# KiCad board PETER.kicad_pcb (continued)
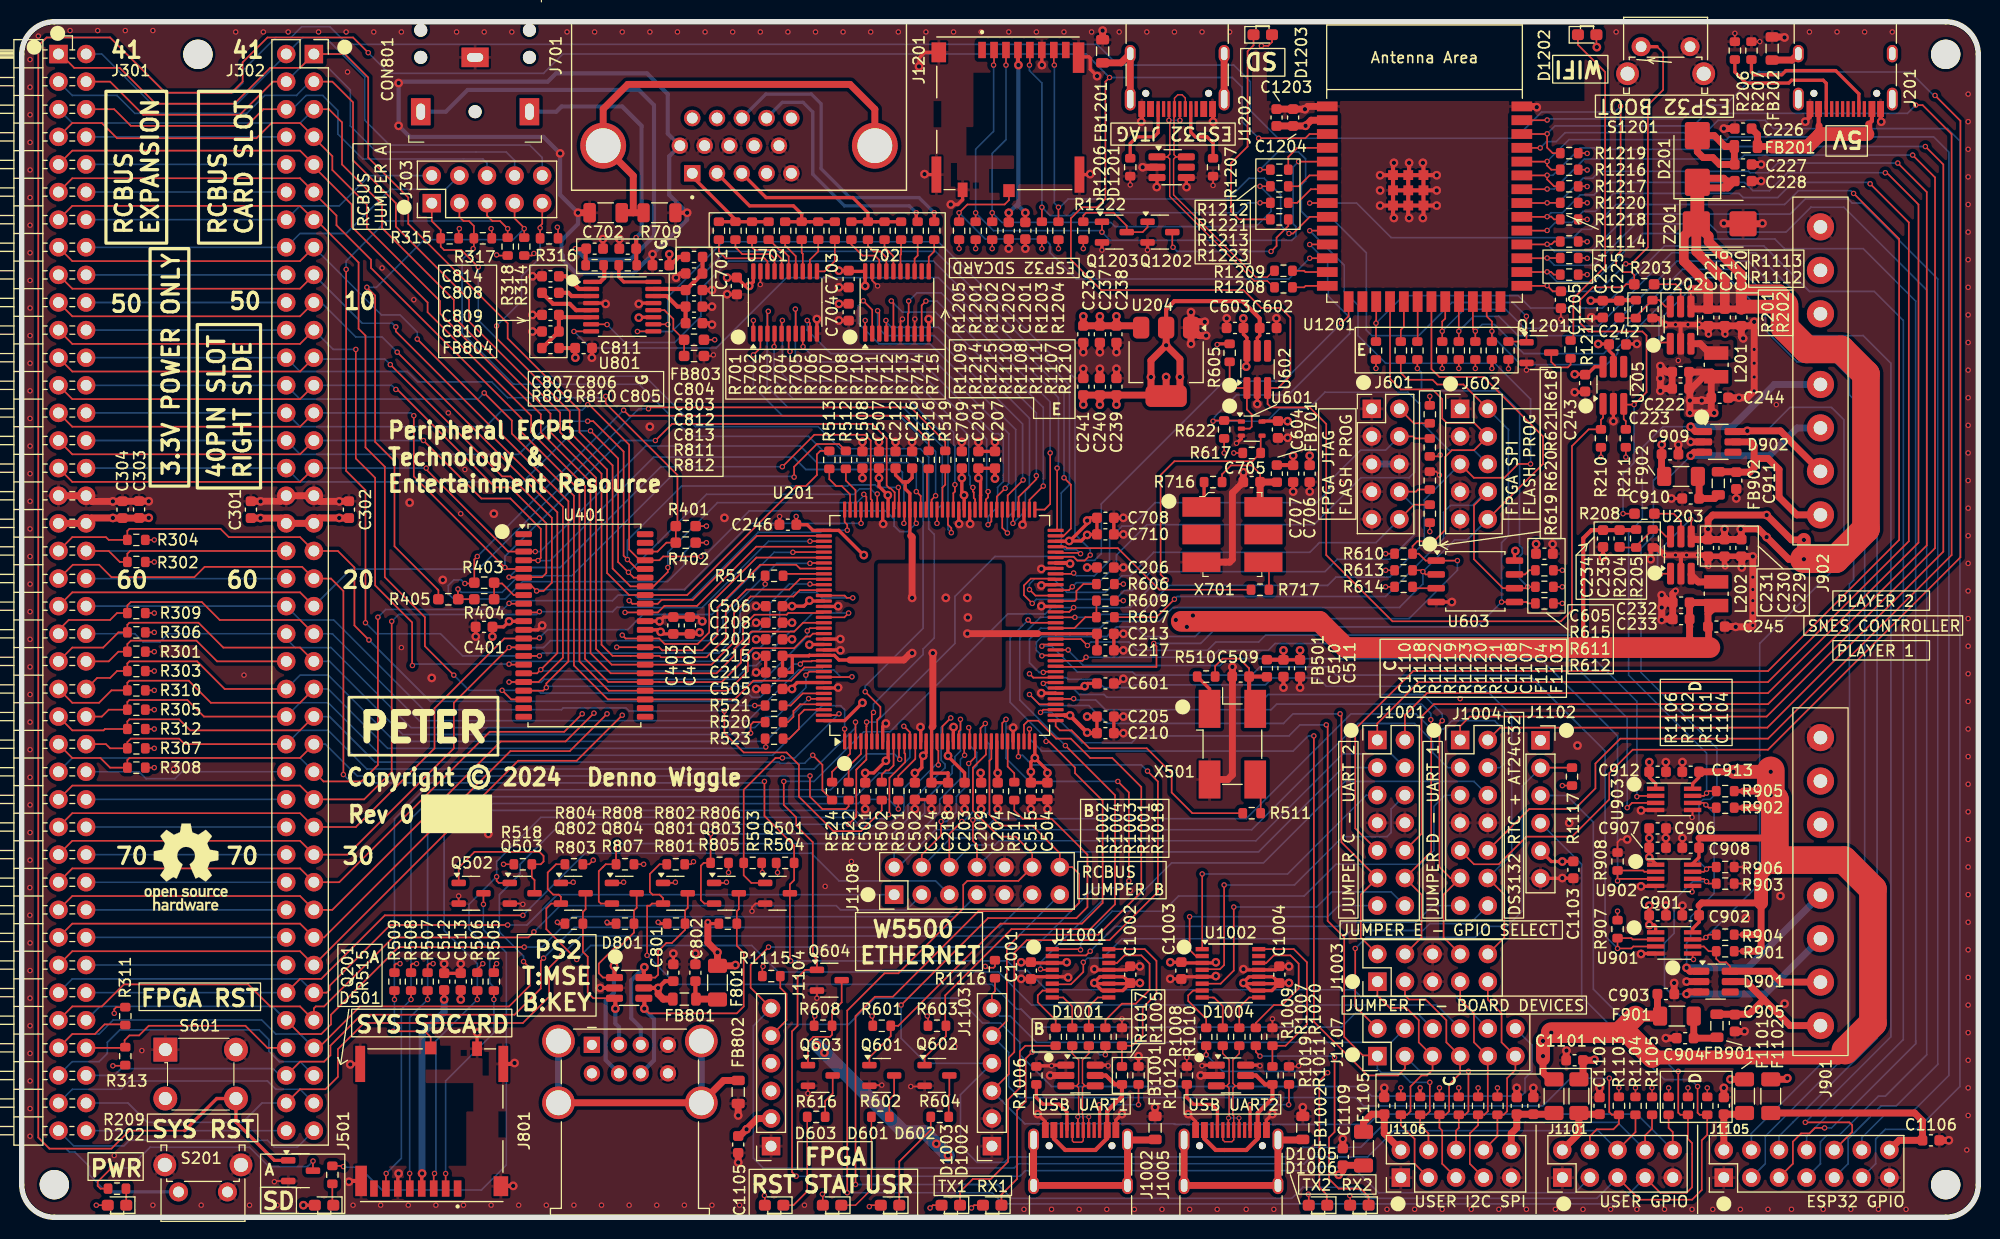
[diagram p0: board, top side]
## Routing (per net, layer and track width the routed paths; a pad name or vN(x,y) marks a point on that pad's centre or on a via; arc(x,y) is an arc through that point) (continued)
  Top w0.152: J1005.A6 111,9.12 ; J1005.B6 112,9.12
  Bottom w0.152: v3(111.02,9.14) v3(111.99,9.14)
/UART_FT230X/UART2_TX_LED: length 5.1
  Top w0.152: U1002.7 107.76,20.86 107.32,20.41 107.32,19.91 108.97,18.25 R1008.2
/UART_FT230X/UART2_USB_D_N: length 4.1
  Top w0.152: R1009.2 112.02,19.32 112.92,20.22 U1002.9
/UART_FT230X/UART2_USB_D_P: length 4.2
  Top w0.152: R1010.2 110.49,19.42 109.7,20.21 109.6,20.21 109.59,20.22 U1002.8
/USER IO, SPI, I2C/RTC_SQW_INT_N: length 41.8
  Top w0.152: v2(122.68,24.73) 122.68,19.4 J1107.2 124.71,17.36 ; R1117.1 139.75,41.37 J1102.2
  Bottom w0.152: J1102.2 138.05,39.67 138.05,28.16 136.65,26.76 134.75,26.76 133.73,25.75 123.7,25.75 v2(122.68,24.73)
/USER IO, SPI, I2C/W5500_INT_N: length 42.7
  Top w0.152: R1116.1 89.54,20.79 89.26,20.52 J1103.6
  Bottom w0.152: J1107.4 125.98,16.1 93.35,16.1 90.93,18.51 89.99,18.51 J1103.6
/USER IO, SPI, I2C/W5500_RESET_N: length 88.4
  Top w0.152: R1115.1 69.79,21.11 70.36,20.54 70.36,18.13 J1104.5
  Bottom w0.152: J1104.5 69.98,17.75 76.07,17.75 78.49,20.16 86.11,20.16 88.39,17.87 90.04,17.87 91.82,16.1 91.82,14.95 94.74,12.03 123.32,12.03 124.21,11.14 137.92,11.14 138.3,11.52 138.3,12.79 138.94,13.43 138.94,15.84 J1107.12
AUDIO_BCLK: length 70.3
  Top w0.152: v2(56.64,81.5) 56.65,81.51 U801.9 ; U201.68 95.19,61.13 97.33,61.13 v2(97.41,61.05)
  Bottom w0.152: v2(97.41,61.05) 97.03,61.44 96.01,61.44 95.63,61.82 95.63,66.64 96.39,67.4 96.39,76.55 84.08,88.87 64.77,88.87 61.22,85.31 61.22,82.9 59.82,81.5 v2(56.64,81.5)
AUDIO_DATA: length 68.3
  Top w0.152: U801.7 53.82,82.16 v2(53.85,82.14) ; U201.71 95.86,62.7 96.52,63.37 96.52,67.4 v2(95.89,68.04)
  Bottom w0.152: v2(53.85,82.14) 55.5,80.48 60.07,80.48 62.48,82.9 62.48,85.44 65.02,87.98 83.88,87.98 95.89,75.98 v2(95.89,68.04)
AUDIO_LRCLK: length 66.4
  Top w0.152: v2(50.8,81.5) 50.81,81.51 U801.8 ; U201.72 95.25,63.33 v2(95.25,68.93)
  Bottom w0.152: v2(50.8,81.5) 52.33,79.98 63.88,79.98 70.37,86.46 84.32,86.46 95.38,75.41 95.38,69.05 v2(95.25,68.93)
AUDIO_MCLK: length 69.1
  Top w0.152: v2(59.44,82.14) 59.41,82.16 U801.10 ; v2(98.3,60.93) 97.79,60.42 97.11,60.42 96.76,60.77 95.19,60.77 U201.67
  Bottom w0.152: v2(98.3,60.93) 98.3,61.44 96.9,62.83 96.9,77.18 84.33,89.76 64.52,89.76 59.44,84.68 v2(59.44,82.14)
CPU_A0: length 91.9
  Top w0.152: J302.16 25.6,67.66 4.65,67.66 J301.16 ; v2(82.3,66.77) 82.71,66.36 U201.94 ; v2(37.21,68.93) 37.21,68.8 44.76,61.25 U401.3 v2(47.25,61.25)
  Bottom w0.152: J302.16 v2(37.21,68.93) ; v2(82.3,66.77) 82.3,68.67 81.54,69.44 73.15,69.44 71.63,70.96 57.41,70.96 47.69,61.25 v2(47.25,61.25)
CPU_A1: length 97.2
  Top w0.152: v2(36.96,71.47) 42.29,66.13 44.96,66.13 47.75,63.34 47.75,60.67 v2(47.5,60.42) 47.47,60.45 U401.4 ; J302.15 25.6,70.2 4.65,70.2 J301.15 ; U201.97 81.21,63.9 v2(81.15,63.85)
  Bottom w0.152: v2(47.5,60.42) 48.61,60.42 58.14,69.94 70.99,69.94 72.14,68.8 80.77,68.8 81.03,68.55 81.03,67.45 81.15,67.32 v2(81.15,63.85) ; v2(36.96,71.47) J302.15
CPU_A2: length 101.8
  Top w0.152: v2(36.07,73.75) 36.07,68.17 v2(44.45,59.78) 44.58,59.65 U401.5 ; J302.14 25.6,72.74 4.65,72.74 J301.14 ; v2(58.29,71.47) 59.82,72.99 78.23,72.99 79.57,71.65 79.57,67.34 79.84,67.07 79.94,67.07 80.31,66.7 80.31,65.22 U201.99
  Bottom w0.152: v2(58.29,71.47) 55.12,71.47 44.45,60.8 v2(44.45,59.78) ; J302.14 35.81,74.01 v2(36.07,73.75)
CPU_A3: length 106
  Top w0.152: v2(69.98,69.05) 72.92,72 77.58,72 78.11,71.47 78.11,66.08 78.21,65.98 U201.103 ; U401.6 44.88,58.85 v2(44.83,58.89) 47.88,58.89 48.26,59.28 48.26,63.85 44.96,67.15 43.56,67.15 34.55,76.17 v2(34.42,76.17) ; J301.13 4.65,75.28 25.6,75.28 J302.13
  Bottom w0.152: v2(34.42,76.17) 34.04,76.55 J302.13 ; v2(69.98,69.05) 58.8,69.05 49.53,59.78 45.72,59.78 v2(44.83,58.89)
CPU_A4: length 95.3
  Top w0.152: U401.7 46.95,58.05 v2(47.37,57.62) 48.01,57.62 48.77,58.39 48.77,64.36 44.96,68.17 44.2,68.17 v2(33.91,78.45) ; U201.105 77.21,63.86 v2(77.22,63.85) ; J302.12 25.6,77.82 4.65,77.82 J301.12
  Bottom w0.152: J302.12 27,78.96 33.4,78.96 v2(33.91,78.45) ; v2(77.22,63.85) 67.06,63.85 60.96,57.75 47.5,57.75 v2(47.37,57.62)
CPU_A5: length 103.6
  Top w0.152: U401.16 44.88,50.85 v2(44.83,50.89) ; v2(35.94,50.77) 35.91,50.79 35.91,54.73 32.51,58.13 32.51,68.04 30.73,69.82 v2(30.73,79.85) ; U201.119 72.58,58.2 v2(72.52,58.26) ; J302.11 25.6,80.36 4.65,80.36 J301.11
  Bottom w0.152: v2(30.73,79.85) 28.65,79.85 J302.11 ; v2(72.52,58.26) 70.61,58.26 68.83,56.48 68.83,55 67.77,53.94 67.31,53.94 64.52,51.15 45.09,51.15 v2(44.83,50.89) 36.07,50.89 v2(35.94,50.77)
CPU_A6: length 107.6
  Top w0.152: v2(34.55,79.6) 49.28,64.86 49.28,51.91 v2(47.75,50.39) 47.42,50.05 U401.17 ; J301.10 4.65,82.9 25.6,82.9 J302.10 ; U201.121 75.71,57.2 75.92,56.99 v2(76.45,56.99)
  Bottom w0.152: J302.10 27.56,84.17 30.73,80.99 33.15,80.99 v2(34.55,79.6) ; v2(47.75,50.39) 47.88,50.26 65.28,50.26 67.44,52.42 67.95,52.42 69.72,54.2 69.72,56.16 71.06,57.5 73.1,57.5 73.61,56.99 v2(76.45,56.99)
CPU_A7: length 113.1
  Top w0.152: v2(34.42,81.93) 34.42,81.5 43.31,72.61 43.31,71.85 49.78,65.37 49.78,51.48 47.55,49.25 U401.18 44.84,49.25 v2(44.83,49.24) ; J301.9 4.65,85.44 25.6,85.44 J302.9 ; U201.125 75.68,55.2 v2(76.07,55.59)
  Bottom w0.152: v2(34.42,81.93) 34.08,82.26 31.32,82.26 J302.9 ; v2(44.83,49.24) 44.86,49.22 47.78,49.22 48.06,49.5 65.66,49.5 66.92,50.76 67.56,50.76 70.74,53.94 71.12,53.94 72.77,55.59 v2(76.07,55.59)
CPU_A8: length 106.9
  Top w0.152: U201.127 72.52,54.2 v2(72.26,53.94) ; J302.8 25.6,87.98 4.65,87.98 J301.8 ; U401.19 47.98,48.45 v2(48.26,48.73) 48.26,49.12 50.29,51.15 50.29,65.88 44.2,71.98 44.2,72.99 v2(36.39,80.8)
  Bottom w0.152: v2(48.26,48.73) 48.39,48.86 66.55,48.86 66.92,49.24 68.07,49.24 72.26,53.43 v2(72.26,53.94) ; v2(36.39,80.8) 36.39,81.44 34.8,83.02 33.1,83.02 J302.8
CPU_A9: length 110.5
  Top w0.152: J301.7 4.65,93.06 25.6,93.06 J302.7 27.05,91.79 30.99,87.85 30.99,81.75 31.62,81.12 31.62,70.83 33.4,69.05 33.4,58.89 37.08,55.21 37.08,52.55 v2(39.75,49.88) ; U401.20 45.03,47.65 v2(44.2,48.48) ; v2(71.63,50.89) 71.88,51.15 72.64,51.15 72.7,51.2 U201.133
  Bottom w0.152: v2(71.63,50.89) 70.99,50.89 67.95,47.85 67.18,47.85 66.8,48.23 47.75,48.23 47.5,48.48 v2(44.2,48.48) 41.15,48.48 v2(39.75,49.88)
CPU_A10: length 104.6
  Top w0.152: U201.128 72.78,53.7 72.52,53.43 72.14,53.43 71.06,52.36 67.25,52.36 66.8,51.91 66.8,50.26 64.99,48.45 U401.26 54.01,48.45 51.31,51.15 51.31,66.9 45.97,72.23 45.97,73.5 32.13,87.34 32.13,88.11 28.96,91.28 28.96,92.17 26.87,94.25 J302.6 25.6,95.6 4.65,95.6 J301.6
CPU_A11: length 106.6
  Top w0.152: U201.126 71.88,54.7 71.06,53.88 67.13,53.88 66.93,53.69 66.93,52.93 66.17,52.16 66.17,51.02 64.39,49.24 58.67,49.24 58.67,49.25 U401.27 53.97,49.25 51.82,51.4 51.82,67.28 46.86,72.23 46.86,73.75 37.34,83.28 37.34,84.17 30.35,91.15 30.35,93.19 26.87,96.66 J302.5 25.6,98.14 4.65,98.14 J301.5
CPU_A12: length 109.6
  Top w0.152: J301.4 4.65,100.68 7.37,100.68 8.76,99.28 21.59,99.28 22.99,100.68 25.6,100.68 J302.4 26.87,99.33 28.58,97.63 28.58,96.36 31.75,93.19 31.75,91.03 38.48,84.3 38.48,83.15 47.75,73.88 47.75,72.23 52.33,67.66 52.33,51.91 54.19,50.05 U401.28 63.93,50.05 65.53,51.66 65.53,52.29 66.36,53.12 66.36,54.39 67.06,55.08 ; 66.94,54.96 67.41,55.44 70.37,55.44 70.53,55.6 73.69,55.6 U201.124
CPU_A13: length 111.7
  Top w0.152: J302.3 28.26,101.95 29.47,100.74 29.47,96.87 33.15,93.19 33.15,91.03 39.75,84.42 39.75,82.83 48.64,73.94 48.64,72.23 52.83,68.04 52.83,52.29 54.27,50.85 U401.29 63.46,50.85 65.53,52.93 65.53,55.59 67.06,57.12 70.99,57.12 71.58,57.7 U201.120
  Bottom w0.152: J302.3 25.6,100.68 4.65,100.68 J301.3
CPU_A14: length 115.1
  Top w0.152: U201.118 73.75,58.74 71.6,58.74 70.61,57.75 66.68,57.75 64.77,55.85 64.77,53.31 62.99,51.53 58.8,51.53 58.68,51.65 U401.30 56.01,51.65 56.01,51.66 54.36,51.66 53.34,52.67 53.34,68.42 49.53,72.23 49.53,74.04 41.15,82.42 41.15,84.42 34.42,91.15 34.42,93.31 30.48,97.25 30.48,102.58 28.58,104.49 J302.2
  Bottom w0.152: J302.2 26.54,104.49 25.27,103.22 22.35,103.22 20.7,101.57 10.42,101.57 8.76,103.22 4.65,103.22 J301.2
CPU_A15: length 117.6
  Top w0.152: v2(77.47,66.52) 77.71,66.28 U201.104 ; v2(59.44,59.78) 59.44,59.37 58.12,58.05 U401.38 56,58.05 54.36,59.69 54.36,69.18 51.31,72.23 51.31,74.26 44.7,80.87 44.7,82.26 35.56,91.41 35.56,93.82 31.88,97.5 31.88,104.87 29.72,107.03 J302.1 25.6,105.76 22.86,105.76 19.56,102.46 12.32,102.46 9.02,105.76 4.83,105.76 3.56,107.03 J301.1
  Bottom w0.152: v2(59.44,59.78) 59.44,61.18 64.01,65.75 76.84,65.75 77.47,66.39 v2(77.47,66.52)
CPU_A16: length 92.9
  Top w0.152: U401.39 56.31,58.85 v2(55.82,59.34) 54.86,60.29 54.86,69.82 v2(52.33,72.36) ; U201.102 v2(78.71,66.55) 78.61,66.64
  Bottom w0.152: v2(55.82,59.34) 62.99,66.52 76.58,66.52 77.09,67.02 78.11,67.02 78.53,66.6 78.7,66.6 ; J301.56 J302.56 25.6,67.66 46.1,67.66 50.8,72.36 v2(52.33,72.36)
CPU_A17: length 95.4
  Top w0.152: U401.40 56.59,59.65 v2(55.72,60.52) 55.37,60.87 55.37,70.45 52.58,73.25 v2(52.07,73.25) ; v2(80.65,67.15) 80.71,67.09 U201.98
  Bottom w0.152: v2(52.07,73.25) 48.77,73.25 45.72,70.2 25.6,70.2 J302.55 J301.55 ; v2(80.65,67.15) 78.74,67.15 78.51,67.38 76.09,67.38 75.98,67.28 60.71,67.28 55.72,62.29 v2(55.72,60.52)
CPU_A18: length 94
  Top w0.152: v2(82.3,63.85) 82.21,63.94 U201.95 ; v2(62.48,60.8) 59.01,60.8 58.66,60.45 U401.41 56.87,60.45 55.88,61.44 55.88,71.09 52.2,74.77 v2(52.07,74.77)
  Bottom w0.152: J301.54 J302.54 25.6,72.74 42.67,72.74 44.2,74.26 51.56,74.26 v2(52.07,74.77) ; v2(62.48,60.8) 62.87,61.18 63.12,61.18 66.93,64.99 79.5,64.99 80.27,64.23 80.27,63.59 80.77,63.09 81.54,63.09 v2(82.3,63.85)
CPU_A19: length 91.4
  Top w0.152: U201.134 73.68,50.59 72,50.59 70.78,49.37 67.31,49.37 65.59,47.65 U401.25 53.92,47.65 50.8,50.77 50.8,66.39 45.09,72.1 45.09,73.31 v2(42.55,75.85)
  Bottom w0.152: v2(42.55,75.85) 41.97,75.28 25.6,75.28 J302.53 J301.53
CPU_A20: length 68.8
  Top w0.152: v2(53.72,75.53) 53.72,74.9 60.33,68.29 60.33,63.74 R401.2 R402.2 59.31,62.07 58.49,61.25 U401.42
  Bottom w0.152: J301.52 J302.52 25.6,77.82 35.47,77.82 36.42,76.87 43.24,76.87 44.7,75.41 53.59,75.41 v2(53.72,75.53)
CPU_BUSACK_N: length 75.1
  Top w0.152: v2(72.14,49.88) 72.46,50.2 U201.135
  Bottom w0.152: J301.62 10.42,53.69 11.18,52.93 12.7,52.93 13.46,53.69 J302.62 24.33,53.23 25.15,52.42 28.45,52.42 35.81,45.05 67.44,45.05 68.45,46.07 69.47,46.07 72.14,48.73 v2(72.14,49.88)
CPU_BUSREQ_N: length 75.1
  Top w0.152: U201.140 72.41,47.7 v2(72.39,47.72) ; J301.64 6.94,49.62 8.13,49.62 8.76,50.26 R303.1 9.72,50.96 9.91,51.15 16.13,51.15 18.67,48.61 J302.64
  Bottom w0.152: v2(72.39,47.72) 68.45,43.78 34.29,43.78 28.19,49.88 25.6,49.88 J302.64
CPU_CLOCK_PHI: length 92.7
  Top w0.152: 84.96,70.83 R519.1 84.96,71.34 81.79,74.52 57.79,74.52 v2(57.66,74.39) ; J302.21 25.6,57.5 4.65,57.5 J301.21
  Bottom w0.152: J302.21 30.28,59.63 42.01,59.63 56.77,74.39 v2(57.66,74.39)
CPU_CLOCK_SRC: length 86.9
  Top w0.152: R502.2 79.12,37.43 77.22,35.53 74.68,35.53 71.5,38.7 71.5,41.62 70.36,42.77 66.42,42.77 64.64,44.54 v2(64.64,46.58)
  Bottom w0.152: J301.61 J302.61 ; J302.61 25.6,54.96 28.7,54.96 36.96,46.7 49.66,46.7 49.82,46.87 55.59,46.87 55.88,46.58 v2(64.64,46.58) ; J302.61 24.33,55.9
CPU_D0: length 95.2
  Top w0.152: J302.27 27.76,40.1 31.24,40.1 32.77,41.62 v2(32.77,55.21) ; U401.9 44.86,56.45 v2(44.83,56.48) ; U201.108 75.71,63.96 75.95,63.72 v2(75.95,63.21)
  Bottom w0.152: J301.27 4.65,42.26 25.6,42.26 J302.27 ; v2(32.77,55.21) 33.48,55.92 44.27,55.92 v2(44.83,56.48) 45.09,56.74 54.36,56.74 54.86,57.24 56.39,57.24 56.77,56.86 61.6,56.86 67.76,63.02 73.47,63.02 73.66,63.21 v2(75.95,63.21)
CPU_D1: length 90.9
  Top w0.152: v2(72.52,62.2) 72.52,62.2 U201.111 ; J301.28 4.65,39.72 25.6,39.72 J302.28 31.5,38.45 34.04,40.99 v2(34.04,54.83) ; v2(47.63,55.72) 47.56,55.65 U401.10
  Bottom w0.152: v2(72.52,62.2) 68.71,62.2 62.61,56.1 58.17,56.1 58.14,56.13 54.77,56.13 54.36,55.72 v2(47.63,55.72) 47.37,55.46 34.67,55.46 v2(34.04,54.83)
CPU_D2: length 84.2
  Top w0.152: v2(70.94,61.18) 70.96,61.2 U201.113 ; J301.29 4.65,37.18 25.6,37.18 J302.29 30.73,35.91 37.97,43.15 37.97,46.83 44.39,53.25 U401.13 47.68,53.25 ; 47.56,53.38 v2(47.63,53.31)
  Bottom w0.152: v2(70.94,61.18) 69.22,61.18 63.49,55.46 57.14,55.46 55.75,54.07 48.39,54.07 v2(47.63,53.31)
CPU_D3: length 86.9
  Top w0.152: U401.14 44.86,52.45 39.75,47.34 39.75,43.15 29.97,33.37 J302.30 25.6,34.64 4.65,34.64 J301.30 ; v2(72.52,60.16) 72.55,60.2 U201.115
  Bottom w0.152: v2(44.83,52.42) 48.01,52.42 48.64,53.05 63.25,53.05 64.52,54.32 64.52,55.21 69.47,60.16 v2(72.52,60.16)
CPU_D4: length 87.2
  Top w0.152: v2(51.56,46.32) 49.91,44.67 43.05,44.67 29.21,30.83 J302.31 25.6,32.1 4.65,32.1 J301.31 ; v2(54.74,52.45) U401.31 58.64,52.45 58.93,52.16 62.61,52.16 64.01,53.56 64.01,56.1 67.95,60.04 71.25,60.04 71.6,59.68 73.78,59.68 U201.116
  In2.Cu w0.152: v2(51.56,46.32) 51.56,49.27 v2(54.74,52.45)
CPU_D5: length 89.7
  Top w0.152: U201.114 67.59,60.7 63.25,56.36 63.25,53.82 62.18,52.75 59.15,52.75 58.65,53.25 U401.32 55.56,53.25 v2(55.25,53.56) ; v2(52.64,46.39) 50.04,43.78 44.07,43.78 28.58,28.29 J302.32 25.6,29.56 4.65,29.56 J301.32
  In2.Cu w0.152: v2(52.64,46.39) 53.72,47.47 53.72,50.51 55.25,52.04 v2(55.25,53.56)
CPU_D6: length 91
  Top w0.152: J301.33 4.65,27.02 25.6,27.02 J302.33 27.81,25.75 44.96,42.89 50.42,42.89 v2(53.85,46.32) ; U201.112 67.58,61.7 62.13,56.25 59.13,56.25 58.52,55.65 U401.35 v2(55.5,55.65)
  In2.Cu w0.152: v2(55.5,55.65) 55.5,54.83 55.73,54.6 55.73,51.63 54.48,50.39 54.48,46.96 v2(53.85,46.32)
CPU_D7: length 94.3
  Top w0.152: J301.34 4.65,24.48 25.6,24.48 J302.34 45.67,42 51.05,42 v2(55.25,46.19) ; U201.110 67.64,62.7 61.75,56.81 58.88,56.81 58.52,56.45 U401.36 56.17,56.45 v2(55.88,56.74)
  In2.Cu w0.152: v2(55.25,46.19) 55.12,46.32 55.12,50.13 56.26,51.27 56.26,55.59 55.94,55.91 55.94,56.67 v2(55.88,56.74)
CPU_DREQ1_N: length 88.9
  Top w0.152: v2(42,87.43) 40.44,88.99 38.86,88.99 38.55,89.31 R315.1 38.55,90.83 37.72,91.66 J303.1 ; U201.6 78.21,46.3 v2(78.36,46.45)
  Bottom w0.152: v2(78.36,46.45) 78.36,47.21 82.93,51.78 82.93,52.29 83.95,53.31 83.95,62.83 83.44,63.34 83.44,69.94 82.67,70.71 75.31,70.71 73.28,72.74 61.98,72.74 57.33,77.39 47.17,77.39 42,82.56 v2(42,87.43)
CPU_INT0_N: length 84.1
  Top w0.152: J302.22 25.6,54.96 18.21,54.96 16.56,56.61 10.03,56.61 9.72,56.29 R309.1 8.76,55.59 8.13,54.96 4.32,54.96 3.38,54.02 J301.22 ; v2(76.38,49.73) 76.35,49.7 U201.136
  Bottom w0.152: J302.22 28.58,53.69 36.58,45.69 66.8,45.69 71.47,50.36 74.7,50.36 75.34,49.73 v2(76.38,49.73)
CPU_INT1_N: length 176.5
  Top w0.152: 76.78,37.05 76.78,36.87 v2(76.07,36.16) ; 76.78,37.05 76.78,36.99 ; 76.78,37.05 76.78,41.18 77.71,42.11 U201.5 77.71,45.16 77.73,45.18 v2(77.73,45.56) ; v2(121.41,82.26) 122.07,82.92 U1201.15 ; J301.37 4.65,16.86 6.73,16.86 7.62,17.75 9.46,17.75 ; v2(46.17,23.53) 46.74,22.95 46.74,21.3 44.83,19.4 31.12,19.4 27.31,15.59 J302.37
  Bottom w0.152: J302.37 25.6,16.86 23.37,16.86 22.07,18.16 8.41,18.16 7.11,16.86 4.65,16.86 J301.37 ; v2(77.73,45.56) 78.61,45.56 85.85,52.8 85.85,57.12 89.54,60.8 96.77,60.8 97.13,60.45 98.71,60.45 99.32,61.05 99.32,65.63 110.62,76.93 116.08,76.93 v2(121.41,82.26) ; v2(46.17,23.53) 46.17,24.03 43.94,26.26 43.94,29.69 45.85,31.59 45.85,32.48 49.53,36.16 v2(76.07,36.16)
CPU_IORQ_N: length 79.2
  Top w0.152: R522.1 76.07,37.81 75.82,37.56 73.66,37.56 72.52,38.7 v2(72.52,40.61) ; J302.26 25.6,42.26 9.91,42.26 9.72,42.07 R308.1 8.13,41.37 7.24,42.26 4.65,42.26 J301.26
  Bottom w0.152: v2(72.52,40.61) 30.86,40.61 27.94,43.53 J302.26
CPU_M1_N: length 76.4
  Top w0.152: J301.19 4.65,62.58 7.75,62.58 8,62.32 R304.1 9.72,63.15 9.91,63.34 18.29,63.34 19.05,62.58 25.6,62.58 J302.19 29.08,61.31 30.61,59.78 30.61,54.45 v2(31.94,53.12) ; R521.1 v2(67.44,47.08)
  Bottom w0.152: v2(31.94,53.12) 37.59,47.47 65.66,47.47 66.04,47.08 v2(67.44,47.08)
CPU_MREQ_N: length 72.1
  Top w0.152: R520.1 67.31,45.56 67.06,45.31 v2(67.06,44.54) ; J301.23 4.65,52.42 7.49,52.42 8.89,53.81 R306.1 9.72,54.51 9.91,54.7 16.26,54.7 18.54,52.42 25.6,52.42 J302.23
  Bottom w0.152: J302.23 28.32,51.15 35.05,44.42 66.93,44.42 v2(67.06,44.54)
CPU_NMI_N: length 77.7
  Top w0.152: J302.66 14.99,43.53 14.48,44.04 10.03,44.04 9.72,43.72 R307.1 8.13,43.15 7.75,43.53 J301.66 ; v2(76.71,45.56) U201.3
  Bottom w0.152: v2(76.71,45.56) 76.71,45.05 72.9,41.24 31.75,41.24 28.19,44.8 25.6,44.8 J302.66
CPU_RD_N: length 78.6
  Top w0.152: J302.25 25.6,44.8 15.5,44.8 14.48,45.81 9.91,45.81 9.72,45.62 R312.1 7.65,44.92 7.53,44.8 4.65,44.8 J301.25 ; v2(72.77,42.51) 73.66,41.62 73.66,39.27 R524.1
  Bottom w0.152: J302.25 28.32,46.07 32.51,41.88 69.68,41.88 69.78,41.78 72.04,41.78 v2(72.77,42.51)
CPU_RESET_N: length 169.1
  Top w0.152: v2(68.33,40.1) 68.33,36.92 71.06,34.19 R504.2 71.06,31.02 70.67,30.63 Q501.3 70.67,23.66 v2(70.74,23.59) ; v2(29.59,40.73) 29.59,57.62 28.45,58.77 J302.20 25.8,59.85 16.83,59.85 15.88,58.89 8.26,58.89 7.11,60.04 4.7,60.04 3.43,58.77 J301.20
  Bottom w0.152: v2(70.74,23.59) 90.68,23.59 91.57,22.7 92.52,22.7 94.29,20.93 122.55,20.93 123.19,20.29 131.95,20.29 J1107.10 ; v2(29.59,40.73) 30.35,39.97 68.2,39.97 v2(68.33,40.1)
CPU_TEND1_N: length 89.1
  Top w0.152: v2(41.53,89.12) 41.59,89.19 R317.1 41.59,91.22 41.15,91.66 40.64,91.66 40.27,92.04 J303.3 ; U201.7 78.71,45.78 78.99,46.07 78.99,46.96 v2(77.6,48.35)
  Bottom w0.152: v2(77.6,48.35) 77.6,48.86 82.93,54.2 82.93,69.31 82.17,70.07 74.17,70.07 72.39,71.85 61.6,71.85 56.8,76.65 45.24,76.65 40.51,81.37 40.51,88.11 v2(41.53,89.12)
CPU_WAIT_N: length 78.9
  Top w0.152: v2(75.71,44.92) U201.1 ; J301.65 7.37,46.07 8,46.7 R305.1 9.72,47.4 9.91,47.59 15.24,47.59 16.77,46.07 J302.65
  Bottom w0.152: J302.65 25.6,47.34 28.19,47.34 33.02,42.51 69.09,42.51 73.65,47.07 75.34,47.07 75.71,46.7 v2(75.71,44.92)
CPU_WR_N: length 71.4
  Top w0.152: J302.24 25.6,47.34 17.4,47.34 15.37,49.37 9.91,49.37 9.72,49.18 R310.1 8.26,48.48 7.11,47.34 4.65,47.34 J301.24 ; 68.39,44.16 68.45,44.1 v2(68.45,43.27)
  Bottom w0.152: J302.24 28.19,48.61 33.66,43.15 68.33,43.15 v2(68.45,43.27)
ESP_UART0_RX: length 139
  Top w0.152: U1201.36 140.32,97.13 v2(140.34,97.15) 140.34,96.77 140.72,96.39 141.54,96.39
  Bottom w0.152: v2(140.34,97.15) 142.34,99.15 156.85,99.15 157.1,99.41 175.9,99.41 177.29,98.01 177.29,13.05 173.67,9.43 171.39,9.43 169.29,7.33 169.29,6.19 J1105.12
ESP_UART0_TX: length 143
  Top w0.152: v2(139.7,98.39) 138.01,98.39 U1201.37
  Bottom w0.152: J1105.11 170.56,4.93 170.56,7.21 171.45,8.09 174.37,8.09 178.31,12.03 178.31,99.03 177.17,100.17 161.16,100.17 160.4,100.93 156.06,100.93 154.92,99.79 141.99,99.79 141.17,98.98 140.29,98.98 v2(139.7,98.39)
ESP_UART1_CTS: length 138.4
  Top w0.152: 141.54,97.91 140.84,97.91 140.34,98.42 v2(140.34,99.69) 140.32,99.67 U1201.38 ; J1004.10 136.52,35.4 136.53,35.4 138.69,37.56 142.88,37.56 144.78,39.46 144.78,41.75 147.07,44.04 160.66,44.04 177.55,60.93 177.55,99.66 174.88,102.33 v2(174.25,102.33)
  Bottom w0.152: v2(140.34,99.69) 141.07,100.42 153.8,100.42 154.94,101.57 173.48,101.57 v2(174.25,102.33)
ESP_UART1_RTS: length 143.9
  Top w0.152: J1004.9 133.61,32.48 135.89,32.48 138.43,35.02 142.62,35.02 146.05,38.45 146.05,40.86 148.21,43.02 160.66,43.02 178.36,60.72 178.36,100.88 v2(176.02,103.22) ; v2(140.34,100.96) 140.32,100.94 U1201.39
  Bottom w0.152: v2(140.34,100.96) 140.44,101.06 152.78,101.06 154.05,102.33 156.72,102.33 159.83,105.44 159.89,105.38 173.74,105.38 175.9,103.22 v2(176.02,103.22)
ESP_UART1_RX: length 127.2
  Top w0.152: v2(175.13,98.52) 176.79,96.87 176.79,61.24 160.59,45.05 136.01,45.05 J1004.2 ; U1201.35 140.32,95.86 v2(140.34,95.88) 140.34,95.5 140.97,94.86 141.54,94.86
  Bottom w0.152: v2(175.13,98.52) 157.74,98.52 157.48,98.27 144.78,98.27 144.65,98.39 143.38,98.39 140.87,95.88 v2(140.34,95.88)
ESP_UART1_TX: length 126
  Top w0.152: v2(173.96,97.73) 176.02,95.67 176.02,61.56 160.53,46.07 133.22,46.07 132.33,45.18 J1004.1 ; v2(140.34,94.61) 140.32,94.59 U1201.34
  Bottom w0.152: v2(173.96,97.73) 158.47,97.73 158.12,97.38 143.76,97.38 141,94.61 v2(140.34,94.61)
ESP_UART2_CTS: length 139.7
  Top w0.152: J1001.10 128.78,35.28 128.78,46.07 129.92,47.21 160.66,47.21 175.26,61.82 175.26,94.33 v2(172.59,97) ; U1201.33 140.32,93.32 v2(140.34,93.34) 141.54,93.34
  Bottom w0.152: v2(140.34,93.34) 140.36,93.31 141.35,93.31 143.64,95.6 144.53,95.6 145.16,96.23 158.88,96.23 159,96.11 160.66,96.11 161.55,97 v2(172.59,97)
ESP_UART2_RTS: length 158
  Top w0.152: v2(168.53,94.2) 172.72,90.01 172.72,62.32 160.66,50.26 128.02,50.26 122.68,44.92 122.68,35.78 J1001.9 ; 118.36,93.31 v2(118.49,93.31) 118.5,93.32 U1201.8
  Bottom w0.152: 118.36,93.31 122.81,93.31 125.98,90.14 142.75,90.14 143.51,90.9 144.4,90.9 146.69,93.19 162.18,93.19 163.45,94.45 168.28,94.45 v2(168.53,94.2)
ESP_UART2_RX: length 128.5
  Top w0.152: J1001.2 127.25,46.19 129.29,48.23 160.66,48.23 174.5,62.07 174.5,93.19 171.58,96.11 v2(171.45,96.11) ; U1201.32 140.32,92.05 v2(140.34,92.07) 140.72,92.07 140.97,91.81 141.54,91.81
  Bottom w0.152: v2(140.34,92.07) 140.69,92.42 141.73,92.42 143.38,94.07 144.65,94.07 145.8,95.22 158.5,95.22 159.26,94.45 160.78,94.45 162.43,96.11 v2(171.45,96.11)
ESP_UART2_TX: length 126
  Top w0.152: J1001.1 124.71,45.43 128.52,49.24 160.66,49.24 173.61,62.2 173.61,91.53 v2(170.05,95.09) ; U1201.31 140.32,90.78 v2(140.34,90.8)
  Bottom w0.152: v2(170.05,95.09) 169.93,95.22 162.94,95.22 161.55,93.82 158.37,93.82 157.99,94.2 146.43,94.2 144.78,92.55 143.64,92.55 142.62,91.53 141.1,91.53 140.36,90.8 v2(140.34,90.8)
ESP_USER_IO0: length 121.7
  Top w0.152: U1201.25 134.77,82.9 135.26,82.42 v2(135.26,81.53) R1107.1
  Bottom w0.152: J1105.4 159.13,7.71 168.15,16.73 168.15,58.26 168.53,58.64 168.53,75.28 168.15,75.66 168.15,77.31 166.75,78.71 163.32,78.71 160.4,81.63 160.4,83.02 156.97,86.45 153.29,86.45 146.81,79.98 146.81,79.47 145.8,78.45 137.92,78.45 135.26,81.12 v2(135.26,81.53)
ESP_USER_IO1: length 127.4
  Top w0.152: R1108.1 v2(132.21,81.53) 132.21,84.22 U1201.23
  Bottom w0.152: v2(132.21,81.53) 133.58,82.9 135.89,82.9 137.67,81.12 145.42,81.12 152.27,87.98 158.84,87.98 162.05,84.76 162.05,82.26 163.99,80.33 168.3,80.33 170.69,77.94 170.69,16.48 162.94,8.73 162.94,8.73 161.67,7.46 161.67,6.19
ESP_USER_IO2: length 139.4
  Top w0.152: 124.59,84.07 124.61,84.09 U1201.17 124.61,82.52 ; 124.61,82.52 124.61,82.29 v2(124.59,82.26) ; 124.61,82.52 124.59,82.49 R1109.1
  Bottom w0.152: J1105.8 164.21,7.45 173.1,16.35 173.1,82.52 170.44,85.18 164.47,85.18 160.27,89.38 151.13,89.38 145.42,83.66 138.81,83.66 137.67,84.8 127.13,84.8 v2(124.59,82.26)
ESP_USER_IO3: length 135.9
  Top w0.152: J1105.10 168.4,7.85 168.4,8.48 168.15,8.73 v2(164.08,8.73) ; U1201.22 130.96,82.69 130.68,82.42 v2(130.68,81.53) R1110.1
  Bottom w0.152: v2(164.08,8.73) 171.96,16.6 171.96,78.58 169.42,81.12 164.34,81.12 162.88,82.58 162.88,85.37 159.51,88.74 151.8,88.74 145.07,82.01 139.83,82.01 139.6,81.78 138.28,81.78 136.53,83.53 132.69,83.53 v2(130.68,81.53) ; J1105.10 166.75,6.19
ESP_USER_IO4: length 132.4
  Top w0.152: U1201.30 140.32,89.51 v2(140.34,89.53) 140.74,89.53 141,89.78 141.54,89.78
  Bottom w0.152: J1105.9 168.02,4.93 168.02,7.21 171.07,10.25 172.47,10.25 176.28,14.06 176.28,86.33 169.29,93.31 168.4,93.31 168.02,93.69 164.08,93.69 162.69,92.3 147.83,92.3 144.4,88.87 141,88.87 v2(140.34,89.53)
ESP_USER_IO5: length 132
  Top w0.152: 141.54,88.26 v2(140.34,88.26) 140.32,88.24 U1201.29
  Bottom w0.152: v2(140.34,88.26) 141,87.6 144.65,87.6 148.46,91.41 155.26,91.41 156.02,90.64 162.31,90.64 164.59,92.93 167.64,92.93 175.26,85.31 175.26,14.95 171.45,11.14 170.82,11.14 167.26,7.59 166.12,7.59 165.48,6.95 165.48,4.92 165.48,4.92 J1105.7
ESP_USER_IO6: length 129.7
  Top w0.152: U1201.28 140.32,86.97 v2(140.34,86.99) 140.69,86.99 140.95,86.73 141.54,86.73 ; 161.67,3.65 162.94,4.93 162.94,6.95 163.7,7.71 164.47,7.71 164.97,8.22 v2(165.86,8.22)
  Bottom w0.152: v2(165.86,8.22) 166.5,8.22 174.25,15.97 174.25,16.22 ; 174.25,16.1 174.25,84.3 169.42,89.12 162.18,89.12 161.29,90.01 155.58,90.01 155.07,90.52 149.1,90.52 144.65,86.07 141.25,86.07 v2(140.34,86.99)
ESP_USER_IO7: length 127.9
  Top w0.152: R1111.1 v2(133.73,81.53) 133.5,81.75 U1201.24
  Bottom w0.152: v2(133.73,81.53) 134.35,82.15 135.5,82.15 138.18,79.47 145.54,79.47 145.92,79.85 145.92,80.36 152.78,87.22 158.12,87.22 161.29,84.04 161.29,81.88 163.7,79.47 167.51,79.47 169.55,77.44 169.55,16.6 160.4,7.46 160.4,4.93 J1105.3
FPGA_CDONE: length 150.8
  Top w0.152: v2(118.49,90.77) 118.5,90.78 U1201.10 ; v2(138.81,69.31) 137.67,69.31 136.4,68.04 133.6,68.04 J602.5 ; U201.56 v2(96.89,55.2) 96.9,55.21 ; 118.49,90.9 118.61,90.78 ; v2(96.01,43.4) 100.58,38.83 100.58,28.8 98.3,26.51 91.05,26.51 84.96,20.42 84.96,17.68 R603.2 85.03,16.67 83.06,14.7 Q602.1
  Bottom w0.152: v2(96.01,43.4) 91.82,47.59 91.82,53.31 93.73,55.21 96.88,55.21 v2(96.89,55.2) 99.05,55.2 99.32,55.47 102.87,55.47 105.54,58.13 120.14,58.13 120.9,58.89 125.86,58.89 129.03,62.07 129.03,66.01 J602.5 ; v2(118.49,90.77) 121.67,87.6 121.67,85.18 122.94,83.91 122.94,81.12 125.48,78.58 135.51,78.58 138.81,75.28 v2(138.81,69.31)
